# KiCad board latentpink.kicad_pcb (continued)
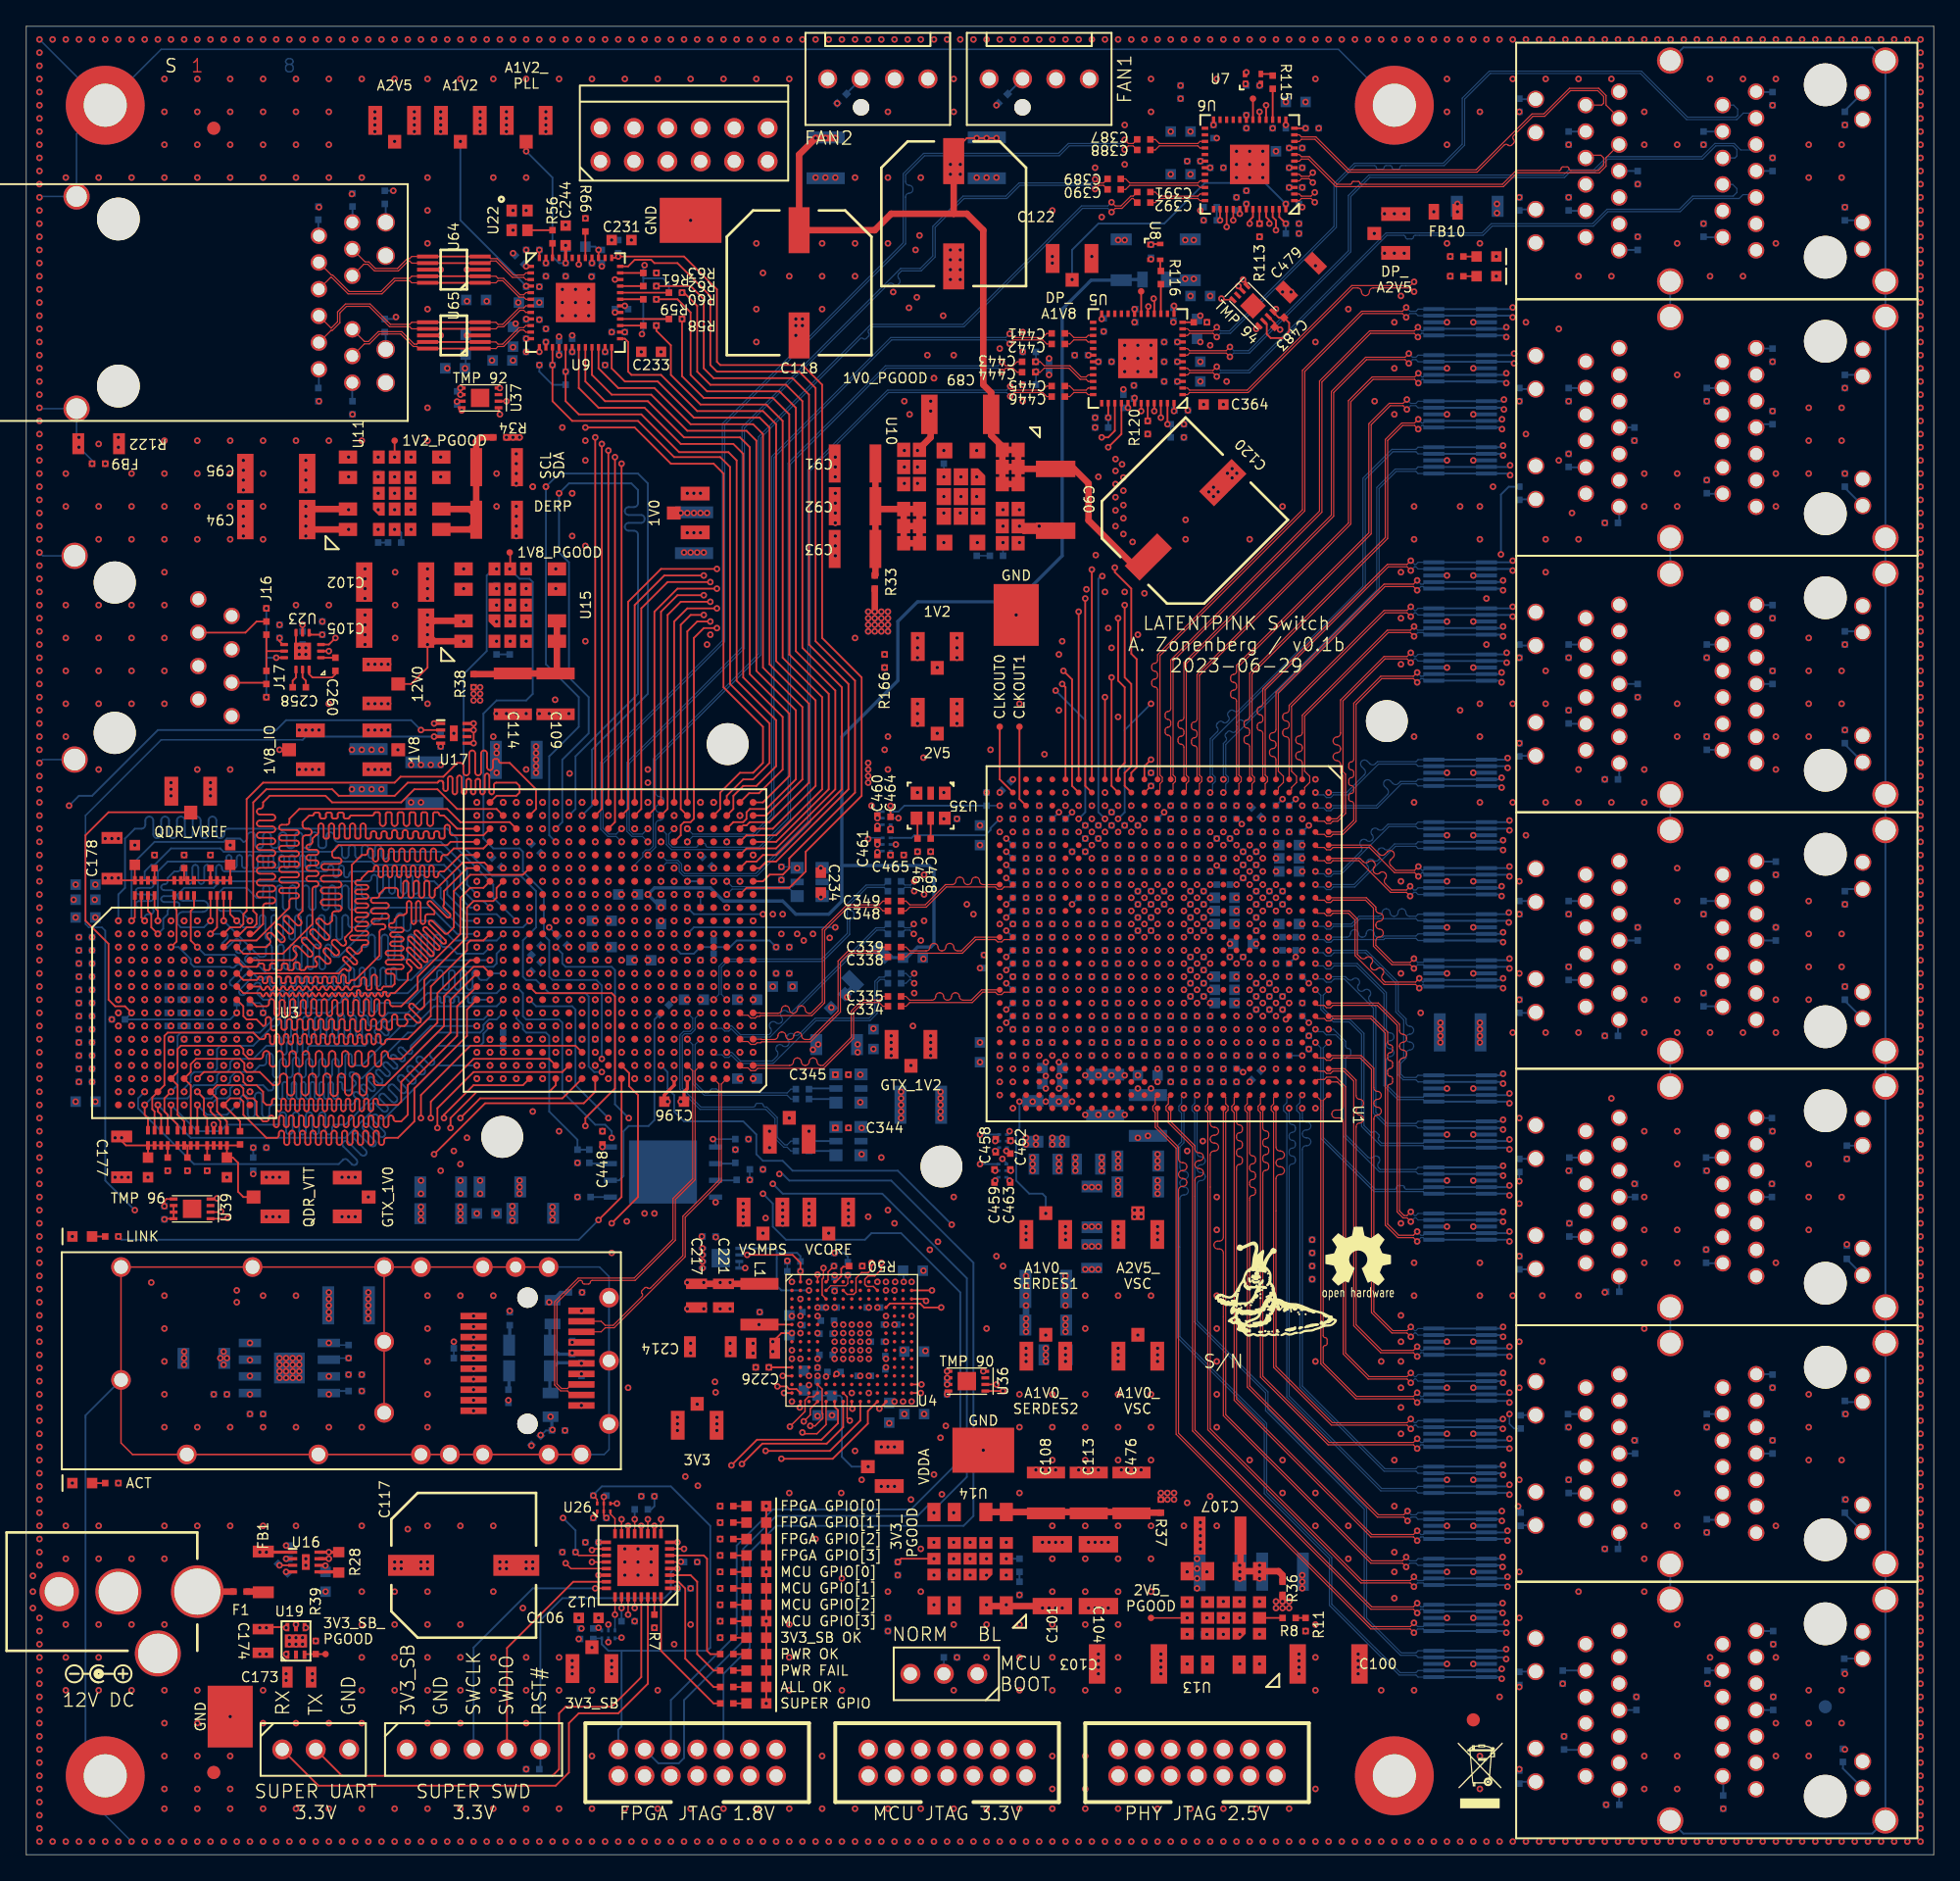
[diagram p0: board, top side]
## Routing (per net, layer and track width the routed paths; a pad name or vN(x,y) marks a point on that pad's centre or on a via; arc(x,y) is an arc through that point) (continued)
/QSGMII PHY/ETH10_D3_N: length 69.5
  Top w0.09: v1(105.82,111.88) 105.54,112.16 102.39,112.16 100.69,110.46 100.69,101.16 89.18,89.65 89.18,82.08 89.36,81.9 89.36,81.6 89.18,81.42 89.18,80.93 U1.L2
  In5.Cu w0.081: v1(112.51,111.88) 112.8,112.16 113.79,112.16 114.24,112.62 115.86,112.62 117.96,110.52 119.16,110.52 120.26,109.41 122.66,109.41 126.96,105.12 127.76,105.12 128.46,104.41 130.04,104.41 130.42,104.8 131.19,104.8
  Bottom w0.09: 106.35,112 106.19,112.16 106.11,112.16 v1(105.82,111.88)
  Bottom w0.14: U43.1 U43.10 112.38,112 v1(112.51,111.88)
/QSGMII PHY/ETH10_D3_P: length 70
  Top w0.09: U1.L1 89,84.1 arc(88.94,84.25) 88.79,84.31 arc(88.64,84.37) 88.58,84.52 88.58,84.7 arc(88.64,84.85) 88.79,84.91 arc(88.94,84.97) 89,85.12 89,85.3 arc(88.94,85.45) 88.79,85.51 arc(88.64,85.57) 88.58,85.72 88.58,85.9 arc(88.64,86.05) 88.79,86.11 arc(88.94,86.17) 89,86.32 89,89.73 100.51,101.24 100.51,110.54 102.31,112.34 105.54,112.34 v1(105.82,112.62)
  In5.Cu w0.081: v1(112.51,112.62) 112.8,112.34 113.71,112.34 114.16,112.78 115.94,112.78 118.04,110.69 119.24,110.69 120.34,109.59 122.74,109.59 127.04,105.28 127.84,105.28 128.54,104.59 129.96,104.59 130.14,104.76 130.14,104.96 129.63,105.47 J21.9
  Bottom w0.09: 106.35,112.5 106.19,112.34 106.11,112.34 v1(105.82,112.62)
  Bottom w0.14: v1(112.51,112.62) 112.38,112.5 U43.9 U43.2
/QSGMII PHY/ETH10_TAP_0: length 1.2
  Bottom w0.14: C433.2 131.53,114.5
/QSGMII PHY/ETH10_TAP_1: length 1.2
  Bottom w0.14: J21.12 C434.2
/QSGMII PHY/ETH10_TAP_2: length 1
  Bottom w0.14: C435.2 131.75,108.75
/QSGMII PHY/ETH10_TAP_3: length 1.2
  Bottom w0.14: J21.8 127.79,103.46
/QSGMII PHY/ETH11_D0_N: length 47.9
  In2.Cu w0.081: 118.56,103.46 119.36,103.46 119.74,103.84 119.74,104.14 119.46,104.41 113.96,104.41 113.21,105.16 113.09,105.16 v1(112.8,104.88)
  Bottom w0.09: v1(91,80.75) 91.18,80.93 91.18,81.39 91.38,81.59 91.38,81.91 91.18,82.11 91.18,84.4 102.84,96.06 102.84,103.86 104.14,105.16 105.64,105.16 105.8,105 U46.1
  Bottom w0.14: U46.1 U46.10 112.68,105 v1(112.8,104.88)
/QSGMII PHY/ETH11_D0_P: length 47.3
  In2.Cu w0.081: v1(112.8,105.62) 113.09,105.34 113.29,105.34 114.04,104.59 119.54,104.59 120.02,104.1 120.72,104.1
  Bottom w0.09: v1(91,81.75) 91,84.48 91.19,84.66 arc(91.24,84.81) 91.19,84.95 arc(91.13,85.09) 91.19,85.23 91.33,85.37 arc(91.47,85.43) 91.61,85.37 arc(91.75,85.31) 91.89,85.37 92.03,85.51 arc(92.09,85.65) 92.03,85.8 arc(91.98,85.94) 92.03,86.08 92.18,86.22 arc(92.32,86.28) 92.46,86.22 arc(92.6,86.16) 92.74,86.22 93.71,87.19 102.66,96.14 102.66,103.94 104.06,105.34 105.64,105.34 105.8,105.5 U46.2
  Bottom w0.14: U46.2 U46.9 112.68,105.5 v1(112.8,105.62)
/QSGMII PHY/ETH11_D1_N: length 49.6
  In2.Cu w0.081: 120.69,106.9 120.02,106.9 119.54,106.41 117.96,106.41 117.21,107.16 115.29,107.16 114.79,106.66 112.56,106.66 v1(112.27,106.38)
  Bottom w0.09: v1(90,80.75) 90.18,80.93 90.18,81.39 90.38,81.59 90.38,81.91 90.18,82.11 90.18,84.75 101.79,96.36 101.79,104.56 103.89,106.66 105.64,106.66 105.8,106.5 U46.4
  Bottom w0.14: v1(112.27,106.38) 112.14,106.5 U46.7 U46.4
/QSGMII PHY/ETH11_D1_P: length 50.2
  In2.Cu w0.081: v1(112.27,107.12) 112.56,106.84 114.71,106.84 115.21,107.34 117.29,107.34 118.04,106.59 119.46,106.59 119.69,106.81 119.69,107.11 119.32,107.48 118.56,107.48
  Bottom w0.09: v1(90,81.75) 90,84.83 90.54,85.36 arc(90.6,85.52) 90.54,85.68 arc(90.47,85.84) 90.54,86 90.64,86.11 arc(90.8,86.17) 90.96,86.11 arc(91.12,86.04) 91.28,86.11 91.38,86.21 arc(91.45,86.37) 91.38,86.53 arc(91.32,86.69) 91.38,86.85 91.49,86.96 arc(91.65,87.02) 91.81,86.96 arc(91.97,86.89) 92.13,86.96 101.61,96.44 101.61,104.64 103.81,106.84 105.64,106.84 105.8,107 U46.5
  Bottom w0.14: U46.5 U46.6 112.14,107 v1(112.27,107.12)
/QSGMII PHY/ETH11_D2_N: length 50.3
  Top w0.09: U1.G2 93.18,80.93 93.18,81.42 93.36,81.6 93.36,81.9 93.18,82.08 93.18,89.75 103.49,100.06 103.49,107.51 104.64,108.66 105.53,108.66 v1(105.82,108.38)
  In2.Cu w0.081: v1(112.18,108.38) 112.47,108.66 116.29,108.66 118.04,110.41 119.46,110.41 119.74,110.14 119.74,109.84 119.39,109.49 118.56,109.49
  Bottom w0.081: v1(105.82,108.38) 106.11,108.66 106.19,108.66 106.35,108.5
  Bottom w0.14: U47.1 U47.10 112.06,108.5 v1(112.18,108.38)
/QSGMII PHY/ETH11_D2_P: length 49.7
  Top w0.09: v1(105.82,109.12) 105.53,108.84 104.56,108.84 103.31,107.59 103.31,100.14 93,89.83 93,86.47 arc(92.94,86.32) 92.79,86.26 arc(92.64,86.2) 92.58,86.05 92.58,85.87 arc(92.64,85.72) 92.79,85.66 arc(92.94,85.6) 93,85.45 93,85.27 arc(92.94,85.12) 92.79,85.06 arc(92.64,85) 92.58,84.85 92.58,84.67 arc(92.64,84.52) 92.79,84.46 arc(92.94,84.4) 93,84.25 U1.G1
  In2.Cu w0.081: 120.69,110.1 120.02,110.1 119.54,110.59 117.96,110.59 116.21,108.84 112.47,108.84 v1(112.18,109.12)
  Bottom w0.081: v1(105.82,109.12) 106.11,108.84 106.19,108.84 106.35,109
  Bottom w0.14: v1(112.18,109.12) 112.06,109 U47.9 U47.2
/QSGMII PHY/ETH11_D3_N: length 54
  Top w0.09: U1.H2 92.18,80.93 92.18,81.42 92.36,81.6 92.36,81.9 92.18,82.08 92.18,90.35 102.24,100.41 102.24,108.71 103.69,110.16 104.67,110.16 v1(104.95,109.88)
  In2.Cu w0.081: v1(112.33,109.88) 112.62,110.16 112.81,110.16 113.26,109.72 115.14,109.72 116.28,110.86 116.28,111.76 116.94,112.41 119.44,112.41 119.86,112.84 120.36,112.84 120.68,112.52
  Bottom w0.081: U47.4 105.8,110 105.63,110.16 105.24,110.16 v1(104.95,109.88)
  Bottom w0.14: U47.4 U47.7 112.21,110 v1(112.33,109.88)
/QSGMII PHY/ETH11_D3_P: length 54.5
  Top w0.09: U1.H1 92,87.7 arc(91.93,87.86) 91.78,87.93 arc(91.62,87.99) 91.55,88.15 91.55,88.3 arc(91.62,88.46) 91.78,88.53 arc(91.93,88.59) 92,88.75 92,88.9 arc(91.93,89.06) 91.78,89.13 arc(91.62,89.19) 91.55,89.35 91.55,89.5 arc(91.62,89.66) 91.78,89.73 arc(91.93,89.79) 92,89.95 92,90.43 102.06,100.49 102.06,108.79 103.61,110.34 104.67,110.34 v1(104.95,110.62)
  In2.Cu w0.081: 118.56,113.51 119.39,113.51 119.7,113.2 119.7,112.92 119.36,112.59 116.86,112.59 116.12,111.84 116.12,110.94 115.06,109.88 113.34,109.88 112.89,110.34 112.62,110.34 v1(112.33,110.62)
  Bottom w0.081: v1(104.95,110.62) 105.24,110.34 105.63,110.34 105.8,110.5 U47.5
  Bottom w0.14: v1(112.33,110.62) 112.21,110.5 U47.6 U47.5
/QSGMII PHY/ETH11_TAP_0: length 1.1
  Bottom w0.14: J21.14 121.09,101.34
/QSGMII PHY/ETH11_TAP_1: length 1.3
  Bottom w0.14: 118.56,105.47 117.28,105.47
/QSGMII PHY/ETH11_TAP_2: length 1.2
  Bottom w0.14: C439.2 J21.17
/QSGMII PHY/ETH11_TAP_3: length 1.3
  Bottom w0.14: 118.56,111.5 C440.2
/QSGMII PHY/GTX_REFCLK_156M25_N: length 11.9
  Bottom w0.09: C343.2 58.12,58.2 57.84,57.92 52.73,57.92 arc(52.63,57.96) 52.58,58.06 arc(52.54,58.17) 52.44,58.21 52.13,58.21 arc(52.03,58.17) 51.98,58.06 arc(51.94,57.96) 51.83,57.92 51.61,57.92 50.84,58.69 50.84,61.59 v1(51.25,62)
/QSGMII PHY/GTX_REFCLK_156M25_P: length 11.9
  Bottom w0.09: C342.2 58.12,57.45 57.84,57.73 51.54,57.73 50.66,58.61 50.66,61.59 v1(50.25,62)
/QSGMII PHY/GTX_REFCLK_SPARE_N: length 18.3
  Bottom w0.09: v1(51.25,64) 50.84,63.59 50.84,62.71 50.54,62.41 50.04,62.41 49.87,62.24 49.87,58.26 51.29,56.84 55.28,56.84 arc(55.38,56.88) 55.42,56.98 arc(55.46,57.08) 55.56,57.12 55.88,57.12 arc(55.98,57.08) 56.02,56.98 arc(56.06,56.88) 56.16,56.84 56.29,56.84 57.09,56.04 57.09,54.54 57.66,53.97 57.84,53.97 58.12,54.25 C341.2
/QSGMII PHY/GTX_REFCLK_SPARE_P: length 18.3
  Bottom w0.09: v1(50.25,64) 50.66,63.59 50.66,62.79 50.46,62.59 49.96,62.59 49.69,62.31 49.69,58.19 51.21,56.66 56.21,56.66 56.91,55.96 56.91,54.46 57.59,53.78 57.84,53.78 58.12,53.5 C340.2
/QSGMII PHY/PHY0_LED0_N: length 1.1
  Bottom w0.14: J4.31 113.64,5.54
/QSGMII PHY/PHY0_LED1_N: length 1.2
  Bottom w0.14: J4.33 113.52,13.92
/QSGMII PHY/PHY1_LED0_N: length 2.6
  Bottom w0.14: J4.27 138.1,6.55 R82.1
/QSGMII PHY/PHY1_LED1_N: length 1.4
  Bottom w0.14: J4.29 138.21,14.91
/QSGMII PHY/PHY2_LED0_N: length 1.1
  Bottom w0.14: J8.31 113.64,25.04
/QSGMII PHY/PHY2_LED1_N: length 1.1
  Bottom w0.14: J8.33 113.62,33.42
/QSGMII PHY/PHY3_LED0_N: length 1.9
  Bottom w0.14: 138.25,25.91 J8.27
/QSGMII PHY/PHY3_LED1_N: length 1.3
  Bottom w0.14: J8.29 138.34,34.41
/QSGMII PHY/PHY4_LED0_N: length 1.2
  Bottom w0.14: R85.1 114.71,44.5
/QSGMII PHY/PHY4_LED1_N: length 1.2
  Bottom w0.14: R97.1 114.72,52.9
/QSGMII PHY/PHY5_LED0_N: length 1.7
  Bottom w0.14: 138.4,45.26 J18.27
/QSGMII PHY/PHY5_LED1_N: length 1.2
  Bottom w0.14: J18.29 138.41,53.91
/QSGMII PHY/PHY6_LED0_N: length 1.2
  Bottom w0.14: R87.1 114.71,64
/QSGMII PHY/PHY6_LED1_N: length 1.2
  Bottom w0.14: R99.1 114.66,72.5
/QSGMII PHY/PHY7_LED0_N: length 1.9
  Bottom w0.14: 138.25,64.91 J19.27
/QSGMII PHY/PHY7_LED1_N: length 1.2
  Bottom w0.14: J19.29 138.41,73.41
/QSGMII PHY/PHY8_LED0_N: length 1.2
  Bottom w0.14: J20.31 113.54,83.54
/QSGMII PHY/PHY8_LED1_N: length 1.2
  Bottom w0.14: J20.33 113.58,91.92
/QSGMII PHY/PHY9_LED0_N: length 1.9
  Bottom w0.14: 138.25,84.41 J20.27
/QSGMII PHY/PHY9_LED1_N: length 1.3
  Bottom w0.14: R102.1 139.51,93
/QSGMII PHY/PHY10_LED0_N: length 1.2
  Bottom w0.14: J21.31 113.54,103.04
/QSGMII PHY/PHY10_LED1_N: length 1.2
  Bottom w0.14: J21.33 113.58,111.42
/QSGMII PHY/PHY11_LED0_N: length 1.9
  Bottom w0.14: 138.25,103.91 J21.27
/QSGMII PHY/PHY11_LED1_N: length 1.3
  Bottom w0.14: R104.1 139.51,112.5
/QSGMII PHY/PHY_REFCLK_125MHZ_N: length 13.6
  In5.Cu w0.081: v1(79,74.75) 78.58,74.33 75.54,74.33 75.04,74.83 71.71,74.83 arc(71.5,74.92) 71.41,75.13 arc(71.33,75.34) 71.11,75.43 71.11,75.43 arc(70.9,75.34) 70.81,75.13 arc(70.73,74.92) 70.52,74.83 70.51,74.83 arc(70.3,74.92) 70.21,75.13 arc(70.13,75.34) 69.92,75.43 69.91,75.43 arc(69.7,75.34) 69.61,75.13 arc(69.53,74.92) 69.31,74.83 69.04,74.83 68.34,75.54 68.34,75.84 v1(68.75,76.25)
/QSGMII PHY/PHY_REFCLK_125MHZ_P: length 13.6
  In5.Cu w0.081: v1(67.75,76.25) 68.16,75.84 68.16,75.46 68.96,74.67 74.96,74.67 75.46,74.17 79.42,74.17 v1(80,74.75)
/QSGMII PHY/QSGMII_0_RX_AC_N: length 14.6
  In5.Cu w0.081: v1(67.5,67) 67.79,66.71 73.11,66.71 74.49,65.33 79.31,65.33 79.46,65.48 79.46,65.69 79.4,65.75 v1(79,65.75)
  Bottom w0.09: v1(67.5,67) 67.22,66.72 67.16,66.72 66.88,67 C337.2
/QSGMII PHY/QSGMII_0_RX_AC_P: length 14.7
  In5.Cu w0.081: v1(67.5,66.25) 67.79,66.54 73.04,66.54 74.41,65.17 79.42,65.17 v1(80,65.75)
  Bottom w0.09: v1(67.5,66.25) 67.22,66.53 67.16,66.53 66.88,66.25 C336.2
/QSGMII PHY/QSGMII_0_RX_N: length 17.9
  Bottom w0.09: C337.1 65.22,66.72 64.83,66.72 64.51,66.39 64.51,64.04 64.06,63.59 59.96,63.59 58.73,62.36 arc(58.53,62.28) 58.33,62.36 arc(58.14,62.44) 57.94,62.36 57.91,62.33 arc(57.83,62.13) 57.91,61.93 arc(57.99,61.74) 57.91,61.54 57.88,61.51 arc(57.68,61.43) 57.49,61.51 arc(57.29,61.59) 57.09,61.51 57.06,61.48 arc(56.98,61.28) 57.06,61.09 arc(57.14,60.89) 57.06,60.69 56.71,60.34 54.29,60.34 53.63,61 v1(53.25,61)
/QSGMII PHY/QSGMII_0_RX_P: length 17.9
  Bottom w0.09: C336.1 65.22,66.53 64.91,66.53 64.69,66.32 64.69,63.96 64.14,63.41 60.04,63.41 56.79,60.16 54.21,60.16 53.58,60.79 53.41,60.62 53.09,60.62 52.89,60.82 52.43,60.82 v1(52.25,61)
/QSGMII PHY/QSGMII_0_TX_AC_N: length 9.2
  Top w0.09: C335.2 66.88,65.25 67.16,64.97 68.85,64.97 arc(69.05,65.05) 69.13,65.25 arc(69.22,65.45) 69.42,65.53 69.45,65.53 arc(69.65,65.45) 69.73,65.25 arc(69.82,65.05) 70.02,64.97 70.05,64.97 arc(70.25,65.05) 70.33,65.25 arc(70.42,65.45) 70.61,65.53 70.65,65.53 arc(70.85,65.45) 70.93,65.25 arc(71.02,65.05) 71.22,64.97 71.84,64.97 72.62,65.75 U1.AF17
/QSGMII PHY/QSGMII_0_TX_AC_P: length 9.2
  Top w0.09: U1.AE17 74.82,65.57 74.33,65.57 74.15,65.39 73.85,65.39 73.67,65.57 72.7,65.57 71.91,64.78 67.16,64.78 66.88,64.5 C334.2
/QSGMII PHY/QSGMII_0_TX_N: length 14.9
  Top w0.09: U2.B1 58.03,60 arc(58.23,60.08) 58.31,60.29 arc(58.4,60.49) 58.6,60.57 58.63,60.57 arc(58.83,60.49) 58.91,60.29 arc(59,60.08) 59.2,60 59.23,60 arc(59.43,60.08) 59.51,60.29 arc(59.6,60.49) 59.8,60.57 59.83,60.57 arc(60.03,60.49) 60.11,60.29 arc(60.2,60.08) 60.4,60 60.57,60 62.71,62.14 62.71,64.14 63.54,64.97 64.84,64.97 65.12,65.25 C335.1
/QSGMII PHY/QSGMII_0_TX_P: length 14.9
  Top w0.09: C334.1 65.12,64.5 64.84,64.78 63.61,64.78 62.89,64.06 62.89,62.06 60.61,59.78 55.59,59.78 55.42,59.6 55.08,59.6 54.87,59.82 54.43,59.82 U2.B2
/QSGMII PHY/QSGMII_1_RX_AC_N: length 14.6
  In5.Cu w0.081: v1(79,69.75) 79.4,69.75 79.47,69.69 79.47,69.44 79.36,69.33 73.94,69.33 72.81,70.46 67.75,70.46 v1(67.46,70.75)
  Bottom w0.09: C347.2 66.78,70.47 67.18,70.47 v1(67.46,70.75)
/QSGMII PHY/QSGMII_1_RX_AC_P: length 14.6
  In5.Cu w0.081: v1(80,69.75) 80,69.73 79.44,69.17 73.86,69.17 72.74,70.29 67.75,70.29 v1(67.46,70)
  Bottom w0.09: v1(67.46,70) 67.18,70.28 66.78,70.28 C346.2
/QSGMII PHY/QSGMII_1_RX_N: length 17.3
  Bottom w0.09: C347.1 65.22,70.47 64.59,70.47 58.68,64.56 58.23,64.11 arc(58.03,64.03) 57.83,64.11 arc(57.64,64.19) 57.44,64.11 57.41,64.08 arc(57.33,63.88) 57.41,63.68 arc(57.49,63.49) 57.41,63.29 57.38,63.26 arc(57.18,63.18) 56.99,63.26 arc(56.79,63.34) 56.59,63.26 56.56,63.23 arc(56.48,63.03) 56.56,62.84 arc(56.64,62.64) 56.56,62.44 56.46,62.34 54.29,62.34 53.63,63 v1(53.25,63)
/QSGMII PHY/QSGMII_1_RX_P: length 17.2
  Bottom w0.09: C346.1 65.22,70.28 64.66,70.28 56.54,62.16 54.21,62.16 53.58,62.79 53.41,62.62 53.09,62.62 52.89,62.82 52.43,62.82 v1(52.25,63)
/QSGMII PHY/QSGMII_1_TX_AC_N: length 9.3
  Top w0.09: C339.2 66.88,69 67.16,68.72 68.42,68.72 arc(68.62,68.8) 68.7,69 arc(68.79,69.2) 68.98,69.28 69.02,69.28 arc(69.22,69.2) 69.3,69 arc(69.39,68.8) 69.58,68.72 69.62,68.72 arc(69.82,68.8) 69.9,69 arc(69.99,69.2) 70.19,69.28 70.22,69.28 arc(70.42,69.2) 70.5,69 arc(70.59,68.8) 70.78,68.72 71.09,68.72 72.12,69.75 U1.AF13
/QSGMII PHY/QSGMII_1_TX_AC_P: length 9.3
  Top w0.09: U1.AE13 74.82,69.57 74.33,69.57 74.15,69.39 73.85,69.39 73.67,69.57 72.2,69.57 71.16,68.53 67.16,68.53 66.88,68.25 C338.2
/QSGMII PHY/QSGMII_1_TX_N: length 16.7
  Top w0.09: C339.1 65.12,69 64.84,68.72 62.49,68.72 61.71,67.94 61.71,64.14 59.55,61.98 59.22,61.98 arc(59.02,62.06) 58.94,62.26 arc(58.86,62.46) 58.66,62.54 58.62,62.54 arc(58.42,62.46) 58.34,62.26 arc(58.26,62.06) 58.06,61.98 58.02,61.98 arc(57.82,62.06) 57.74,62.26 arc(57.66,62.46) 57.46,62.54 57.42,62.54 arc(57.22,62.46) 57.14,62.26 arc(57.06,62.06) 56.86,61.98 55.89,61.98 55.87,62 U2.D1
/QSGMII PHY/QSGMII_1_TX_P: length 16.6
  Top w0.09: U2.D2 54.43,61.82 54.87,61.82 55.08,61.6 55.42,61.6 55.54,61.73 55.83,61.73 55.89,61.8 59.62,61.8 61.89,64.06 61.89,67.86 62.56,68.53 64.84,68.53 65.12,68.25 C338.1
/QSGMII PHY/QSGMII_2_RX_AC_N: length 14.3
  In5.Cu w0.081: v1(80,73.75) 79.42,73.17 74.31,73.17 73.94,73.54 67.79,73.54 v1(67.5,73.25)
  Bottom w0.09: C351.2 66.78,73.53 67.22,73.53 v1(67.5,73.25)
/QSGMII PHY/QSGMII_2_RX_AC_P: length 14.2
  In5.Cu w0.081: v1(67.5,74) 67.79,73.71 74.01,73.71 74.39,73.33 79.31,73.33 79.43,73.45 79.43,73.72 79.35,73.8 79.05,73.8 v1(79,73.75)
  Bottom w0.09: v1(67.5,74) 67.21,73.72 66.78,73.72 C350.2
/QSGMII PHY/QSGMII_2_RX_N: length 19.6
  Bottom w0.09: C351.1 65.22,73.53 63.91,73.53 62.59,72.21 62.59,71.91 arc(62.64,71.8) 62.75,71.75 arc(62.86,71.7) 62.91,71.59 62.91,71.31 arc(62.86,71.2) 62.75,71.15 arc(62.64,71.1) 62.59,70.99 62.59,69.96 60.54,67.91 53.29,67.91 52.84,67.46 52.84,65.41 v1(53.25,65)
/QSGMII PHY/QSGMII_2_RX_P: length 19.5
  Bottom w0.09: C350.1 65.22,73.72 63.84,73.72 62.41,72.29 62.41,70.04 60.46,68.09 53.21,68.09 52.66,67.54 52.66,65.41 v1(52.25,65)
/QSGMII PHY/QSGMII_2_TX_AC_N: length 9.5
  Top w0.09: U1.AF9 72.75,73.75 arc(72.55,73.83) 72.47,74.03 arc(72.39,74.23) 72.19,74.31 72.15,74.31 arc(71.95,74.23) 71.87,74.03 arc(71.79,73.83) 71.59,73.75 71.55,73.75 arc(71.35,73.83) 71.27,74.03 arc(71.19,74.23) 70.99,74.31 70.95,74.31 arc(70.75,74.23) 70.67,74.03 arc(70.59,73.83) 70.39,73.75 69.87,73.75 68.34,72.22 67.16,72.22 66.88,72.5 C349.2
/QSGMII PHY/QSGMII_2_TX_AC_P: length 9.5
  Top w0.09: C348.2 66.88,71.75 67.16,72.03 68.41,72.03 69.95,73.57 73.67,73.57 73.85,73.39 74.15,73.39 74.33,73.57 74.82,73.57 U1.AE9
/QSGMII PHY/QSGMII_2_TX_N: length 18.3
  Top w0.09: U2.F1 55.77,64 55.8,63.97 57.13,63.97 arc(57.33,64.05) 57.41,64.25 arc(57.49,64.45) 57.69,64.54 57.73,64.54 arc(57.93,64.45) 58.01,64.25 arc(58.09,64.05) 58.29,63.97 58.33,63.97 arc(58.53,64.05) 58.61,64.25 arc(58.69,64.45) 58.89,64.54 58.93,64.54 arc(59.13,64.45) 59.21,64.25 arc(59.29,64.05) 59.49,63.97 59.64,63.97 60.51,64.84 60.51,70.34 62.39,72.22 64.84,72.22 65.12,72.5 C349.1
/QSGMII PHY/QSGMII_2_TX_P: length 18.2
  Top w0.09: C348.1 65.12,71.75 64.84,72.03 62.46,72.03 60.69,70.26 60.69,64.76 59.72,63.79 55.8,63.79 55.74,63.73 55.54,63.73 55.42,63.6 55.08,63.6 54.87,63.82 54.43,63.82 U2.F2
/QSGMII PHY/SFP_3V3: length 14.3
  In4.Cu w0.14: v1(39.1,31.9) 39.5,32.3 v1(40,32.3) 39.85,32.45 v1(39.85,33.3) 39.75,33.4 v1(39.75,42)
  Bottom w0.14: R134.1 39.5,32.25 C469.1
  Bottom w0.25: L7.2 40.6,42.75 C470.1 ; C469.1 39.95,33.2
/QSGMII PHY/SFP_I2C_SCL: length 34.7
  Top w0.115: U4.P4 59.87,34.82 59.46,34.82 59.2,34.55 59.2,33.7 58.05,32.55 v1(58.05,32.55)
  In5.Cu w0.115: v1(58.05,32.55) 56.75,31.25 43.25,31.25 43.03,31.47 38.78,31.47 38.53,31.72 37.22,31.72 36.05,32.9 34,32.9 33.47,33.42 33.47,37.22 v1(34,37.75)
  Bottom w0.115: v1(34,37.75) R79.1
/QSGMII PHY/SFP_I2C_SDA: length 39.4
  Top w0.115: U4.R5 60.8,32.7 60.1,32 59.1,32 v1(59,32.1)
  In5.Cu w0.115: v1(34,38.55) 33.03,37.58 33.03,32.97 33.8,32.2 34.9,32.2 37.8,29.3 43.7,29.3 45.2,30.8 54.95,30.8 55.5,30.25 56.5,30.25 58.35,32.1 v1(59,32.1)
  Bottom w0.115: v1(34,38.55) 33.55,38.55
/QSGMII PHY/SFP_MOD_ABS: length 26.1
  In5.Cu w0.115: v1(34,36.95) 40.95,36.95 42.8,38.8 49.3,38.8 50.05,39.55 56.95,39.55 57.25,39.25 57.25,38.75 57.65,38.35 v1(58.2,38.35)
/QSGMII PHY/SFP_RS0: length 24.8
  In5.Cu w0.115: v1(34,36.15) 50.65,36.15 52.2,37.7 v1(58.2,37.7)
/QSGMII PHY/SFP_RS1: length 28.8
  Top w0.115: U4.R4 59.6,33.9 59.6,33.44 v1(59.1,32.94)
  In5.Cu w0.115: v1(59.1,32.94) 57.69,32.94 56.35,31.6 43.45,31.6 40.9,34.15 34.4,34.15 v1(34,34.55)
/QSGMII PHY/SFP_RX_LOS: length 64.8
  Top w0.115: v1(59.6,32.6) 59.96,32.6 60.55,33.19 60.55,33.51 60.5,33.56 60.5,35.4 U4.N4
  In2.Cu w0.115: v1(45.25,62) 44.75,61.5 42.25,61.5 41.75,61 41.75,53.5 39,50.75 39,47.25 38,46.25 36.5,46.25 36,45.75 36,44.25 36.25,44 36.25,41.75 36,41.5 36,37.25 34.1,35.35 v1(34,35.35)
  In5.Cu w0.115: v1(59.6,32.6) 59.6,33 59.26,33.34 52.97,33.34 52.66,33.65 46.1,33.65 44.4,35.35 v1(34,35.35)
/QSGMII PHY/SFP_RX_N: length 32.9
  Top w0.09: U2.B6 50.66,59.59 50.66,51.39 49.16,49.89 49.16,46.79 46.21,43.84 41.96,43.84 40.16,42.04 40.16,35.71 40.61,35.26 41.14,35.26 41.45,34.95
/QSGMII PHY/SFP_RX_P: length 32.9
  Top w0.09: U2.B5 50.84,59.59 50.84,51.31 49.34,49.81 49.34,46.71 46.29,43.66 43.02,43.66 arc(42.92,43.62) 42.88,43.52 arc(42.84,43.42) 42.74,43.38 42.42,43.38 arc(42.32,43.42) 42.28,43.52 arc(42.24,43.62) 42.14,43.66 42.04,43.66 40.34,41.96 40.34,35.79 40.69,35.44 41.14,35.44 41.45,35.75
/QSGMII PHY/SFP_TX_DISABLE: length 37.4
  Top w0.14: U4.P15 v1(68,35.1)
  In5.Cu w0.115: v1(68,35.1) 66.4,35.1 64.5,37 61.25,37 60.75,37.5 60.75,38 60.25,38.5 58.75,38.5 57.75,39.5 57.5,39.5 57.25,39.75 54.84,39.75 54.5,40.1 50,40.1 49.26,39.35 v1(34,39.35)
/QSGMII PHY/SFP_TX_FAULT: length 40.2
  Top w0.14: U4.N15 v1(68.05,35.75)
  In5.Cu w0.115: v1(34,40.15) 49.25,40.15 50.05,40.95 54.3,40.95 55.03,41.67 59.47,41.67 60,42.2 64.85,42.2 67.9,39.15 67.9,35.9 v1(68.05,35.75)
/QSGMII PHY/SFP_TX_N: length 25.2
  Top w0.09: J1.19 43.7,40.55 44.01,40.24 44.61,40.24 46.81,42.44 arc(46.86,42.55) 46.81,42.67 arc(46.76,42.78) 46.81,42.89 47.01,43.09 arc(47.12,43.14) 47.24,43.09 arc(47.35,43.04) 47.46,43.09 49.91,45.54 49.91,48.54 52.66,51.29 52.66,58.59 U2.A4
/QSGMII PHY/SFP_TX_P: length 25.1
  Top w0.09: J1.18 43.7,39.75 44.01,40.06 44.69,40.06 50.09,45.46 50.09,48.46 52.84,51.21 52.84,58.59 U2.A3
/QSGMII PHY/SFP_VDD_RX: length 4.3
  Bottom w0.25: 39.8,35.15 C471.1 40.41,37.4 C473.1
  vias: v1(42.2,37.35)
/QSGMII PHY/SFP_VDD_TX: length 3.4
  Bottom w0.25: C474.1 40.49,38.05 C472.1 39.8,40.15
  vias: v1(41.5,38.15)
/QSGMII PHY/VSC_CLKOUT_0: length 5.4
  Top w0.14: TP20.1 74,81.75 U1.AE2
/QSGMII PHY/VSC_CLKOUT_1: length 6.2
  Top w0.14: TP19.1 75.5,80.25 U1.AD3
/QSGMII PHY/VSC_FAST_STATUS: length 51.3
  Top w0.14: U1.R1 85,82.75 v1(85.5,83.25)
  In2.Cu w0.115: v1(85.5,83.25) 89,83.25 89.5,82.75 89.5,74.5 89.75,74.25 90.25,74.25 90.5,74 90.5,56.25 88.25,54 83,54 82.6,53.6 75.35,53.6 74.83,53.08 74.37,53.08 v1(74.2,52.9)
  Bottom w0.115: v1(74.2,52.9) 74.5,52.6 U31.4
/QSGMII PHY/VSC_FAST_STATUS_1V8: length 44.5
  In2.Cu w0.115: v1(71.5,72.25) 71.5,53.5 v1(72.5,52.5)
  In5.Cu w0.115: v1(49.25,73) 49.75,73.5 61.5,73.5 62.75,72.25 v1(71.5,72.25)
  Bottom w0.14: U31.3 v1(72.5,52.5)
/QSGMII PHY/VSC_JTAG_TCK: length 73.9
  In2.Cu w0.115: v1(96,65.75) 96.5,65.25 96.5,64 96.75,63.75 96.75,61.25 96.25,60.75 96.25,59.25 95,58 95,26.25 100.25,21 100.25,10 97.25,7 88,7 J3.6
/QSGMII PHY/VSC_JTAG_TDI: length 66.5
  In2.Cu w0.115: v1(96,64.75) 96,64 96.5,63.5 96.5,61.5 95.75,60.75 95.75,59.75 94.5,58.5 94.5,25.5 99.5,20.5 99.5,11.25 97.5,9.25 92.25,9.25 J3.10
/QSGMII PHY/VSC_JTAG_TDO: length 76.5
  Top w0.115: U1.D19 v1(95.75,63.5)
  In2.Cu w0.115: v1(95.75,63.5) 95.57,63.32 93.82,63.32 93.5,63 93.5,59.81 92.5,58.81 92.5,24.25 91.5,23.25 91.5,13.5 88.25,10.25 82,10.25 81.75,10 81.75,7.25 82,7 85.47,7 86,7.53 86,8.5 86.75,9.25 87.75,9.25 J3.8
/QSGMII PHY/VSC_JTAG_TMS: length 63.4
  In2.Cu w0.115: v1(96,62.75) 95.5,62.25 94.75,62.25 94.5,62 94.5,59.25 93.5,58.25 93.5,23.5 93,23 93,10.75 92.25,10 87,10 86.5,9.5 85.5,9.5 85,9 J3.4
/QSGMII PHY/VSC_MDC: length 9
  Bottom w0.14: v1(74,78.75) 73.3,78.05 73.3,77.9 72.9,77.5 67.5,77.5 67.3,77.3 U33.4
/QSGMII PHY/VSC_MDC_1V8: length 19.2
  In5.Cu w0.115: v1(48.25,74) 48.75,74.5 63,74.5 64,75.5 v1(64,77.22)
  Bottom w0.115: U33.3 64.08,77.3 v1(64,77.22)
/QSGMII PHY/VSC_MDINT: length 39.4
  Top w0.115: U1.R2 v1(85.5,81.25)
  In2.Cu w0.115: v1(85.5,81.25) 85.5,77.48 85.75,77.23 86.08,77.23 86.4,76.91 86.4,76.75 87,76.15 87.16,76.15 87.5,75.81 87.5,58 84.5,55 v1(74.75,55)
  Bottom w0.115: U32.4 74.55,54.8 v1(74.75,55)
/QSGMII PHY/VSC_MDINT_1V8: length 40.8
  In2.Cu w0.115: v1(72,71.5) 72,55.25 v1(72.5,54.75)
  In5.Cu w0.115: v1(72,71.5) 60.75,71.5 59.75,72.5 50.75,72.5 v1(50.25,73)
  Bottom w0.14: U32.3 v1(72.5,54.75)
/QSGMII PHY/VSC_MDIO: length 8.5
  Bottom w0.115: v1(74,79.75) R132.1
  Bottom w0.14: R132.1 66.75,79.75 66.3,79.3 U34.4
/QSGMII PHY/VSC_MDIO_1V8: length 18.9
  In5.Cu w0.115: v1(64.25,79.75) 63.25,79.75 62.75,79.25 62.75,77.75 61.5,76.5 52.5,76.5 51.5,75.5 49.75,75.5 v1(49.25,75)
  Bottom w0.115: v1(64.25,79.75) 64.7,79.3 U34.3
/QSGMII PHY/VSC_MDIO_OE: length 19.3
  In5.Cu w0.115: v1(50.25,75) 51.5,75 52,75.5 61.5,75.5 63.5,77.5 63.5,78.75 64,79.25 65.25,79.25 U34.5 v1(66.3,78.8)
  Bottom w0.14: U34.5 v1(66.3,78.8)
/QSGMII PHY/VSC_POWERDOWN: length 69.2
  In2.Cu w0.115: v1(97,79.75) 96.6,79.35 96.6,77.9 98.5,76 98.5,46.5 v1(97.75,45.75)
  In5.Cu w0.115: v1(65.35,42.9) 65.75,42.5 73,42.5 76.25,45.75 v1(97.75,45.75)
/QSGMII PHY/VSC_RST_N: length 71.4
  Top w0.14: v1(69.55,41.6) 68.25,41.6 67.95,41.9 65.65,41.9 U4.D12
  In2.Cu w0.115: v1(97.75,44.75) 99.75,46.75 99.75,77.75 98.75,78.75 v1(97,78.75)
  In5.Cu w0.115: v1(69.55,41.6) 72.85,41.6 76.5,45.25 82.25,45.25 82.75,44.75 v1(97.75,44.75)
/SGMII PHYs/DP_A1V8: length 78.2
  Top w0.14: U6.13 v1(95.75,131.5) ; U6.48 v1(95.75,125.5) ; U5.13 v1(87.25,117.75) ; v1(87.25,109.75) U5.48
  In3.Cu w0.115: 88.5,117.75 91.75,117.75 92.5,117 92.5,110 91.9,109.4 87.6,109.4 v1(87.25,109.75) ; 88.5,117.75 v1(88.5,118.5) ; 88.5,117.75 v1(87.25,117.75) ; v1(88.75,119.8) 88.05,119.8 ; 88.05,119.8 88.03,119.78 ; 88.05,119.8 v1(88.1,119.8) ; v1(95.75,125.5) 95,126.25 95,128.75 95.5,129.25 95.5,131.25 v1(95.75,131.5)
  In3.Cu w0.14: 95.25,126 v1(95.75,125.5) ; v1(87.25,117.75) 87.25,119 89.25,121 96.75,121 98.75,123 98.75,129.5 97.5,130.75 96.5,130.75 v1(95.75,131.5) v1(95.75,133.25)
  Bottom w0.14: v1(79.5,119.75) 79.5,122 81.5,124 86.5,124 89.59,127.09 94.16,127.09 v1(95.75,125.5)
  Bottom w0.25: FB11.1 88.05,119.75
/SGMII PHYs/DP_A2V5: length 44.6
  Top w0.14: U5.9 v1(87.5,115) ; v1(87.5,112) U5.3 ; U6.3 v1(96,126.75) ; U6.9 v1(96,129.75)
  In4.Cu w0.115: v1(96,126.75) 97,125.75 97.25,125.75 97.5,125.5 97.5,125 99.25,123.25 v1(102.47,123.25) 105.35,123.25 v1(107,124.9) ; 90.75,119.5 89.5,119.5 89.25,119.25 89.25,118 ; 87.5,115.5 87.5,115.75 88.25,116.5 88.25,117 ; v1(95.5,118.8) v1(96.15,118.8) ; v1(87.5,115) v1(89.25,115)
  In4.Cu w0.14: v1(96,129.75) 95.5,129.25 ; 95.5,129.25 95.5,127.25 v1(96,126.75) ; 95.5,129.25 95.25,129.25 v1(95,129.5) ; 96.15,121.25 96.15,121.25 v1(96.15,118.8) ; 96.15,121.25 98.25,121.25 99.5,122.5 99.5,123.25 ; 96.15,121.25 92.5,121.25 90.75,119.5 ; v1(87.5,112) 87,112.5 87,114.5 v1(87.5,115) 87.5,115.5 ; 88.25,117 89.25,118
/SGMII PHYs/DP_CLKOUT0: length 1.6
  Top w0.14: TP21.1 U6.18
/SGMII PHYs/DP_CLKOUT1: length 1.7
  Top w0.14: TP22.1 U5.18
/SGMII PHYs/DP_MDC: length 107.2
  Top w0.14: v1(85.7,118.3) 85.75,118.25 U5.16 ; U6.16 v1(94.25,133) ; U2.AB12 v1(44.25,106.75)